# KiCad board distribution.kicad_pcb (continued)
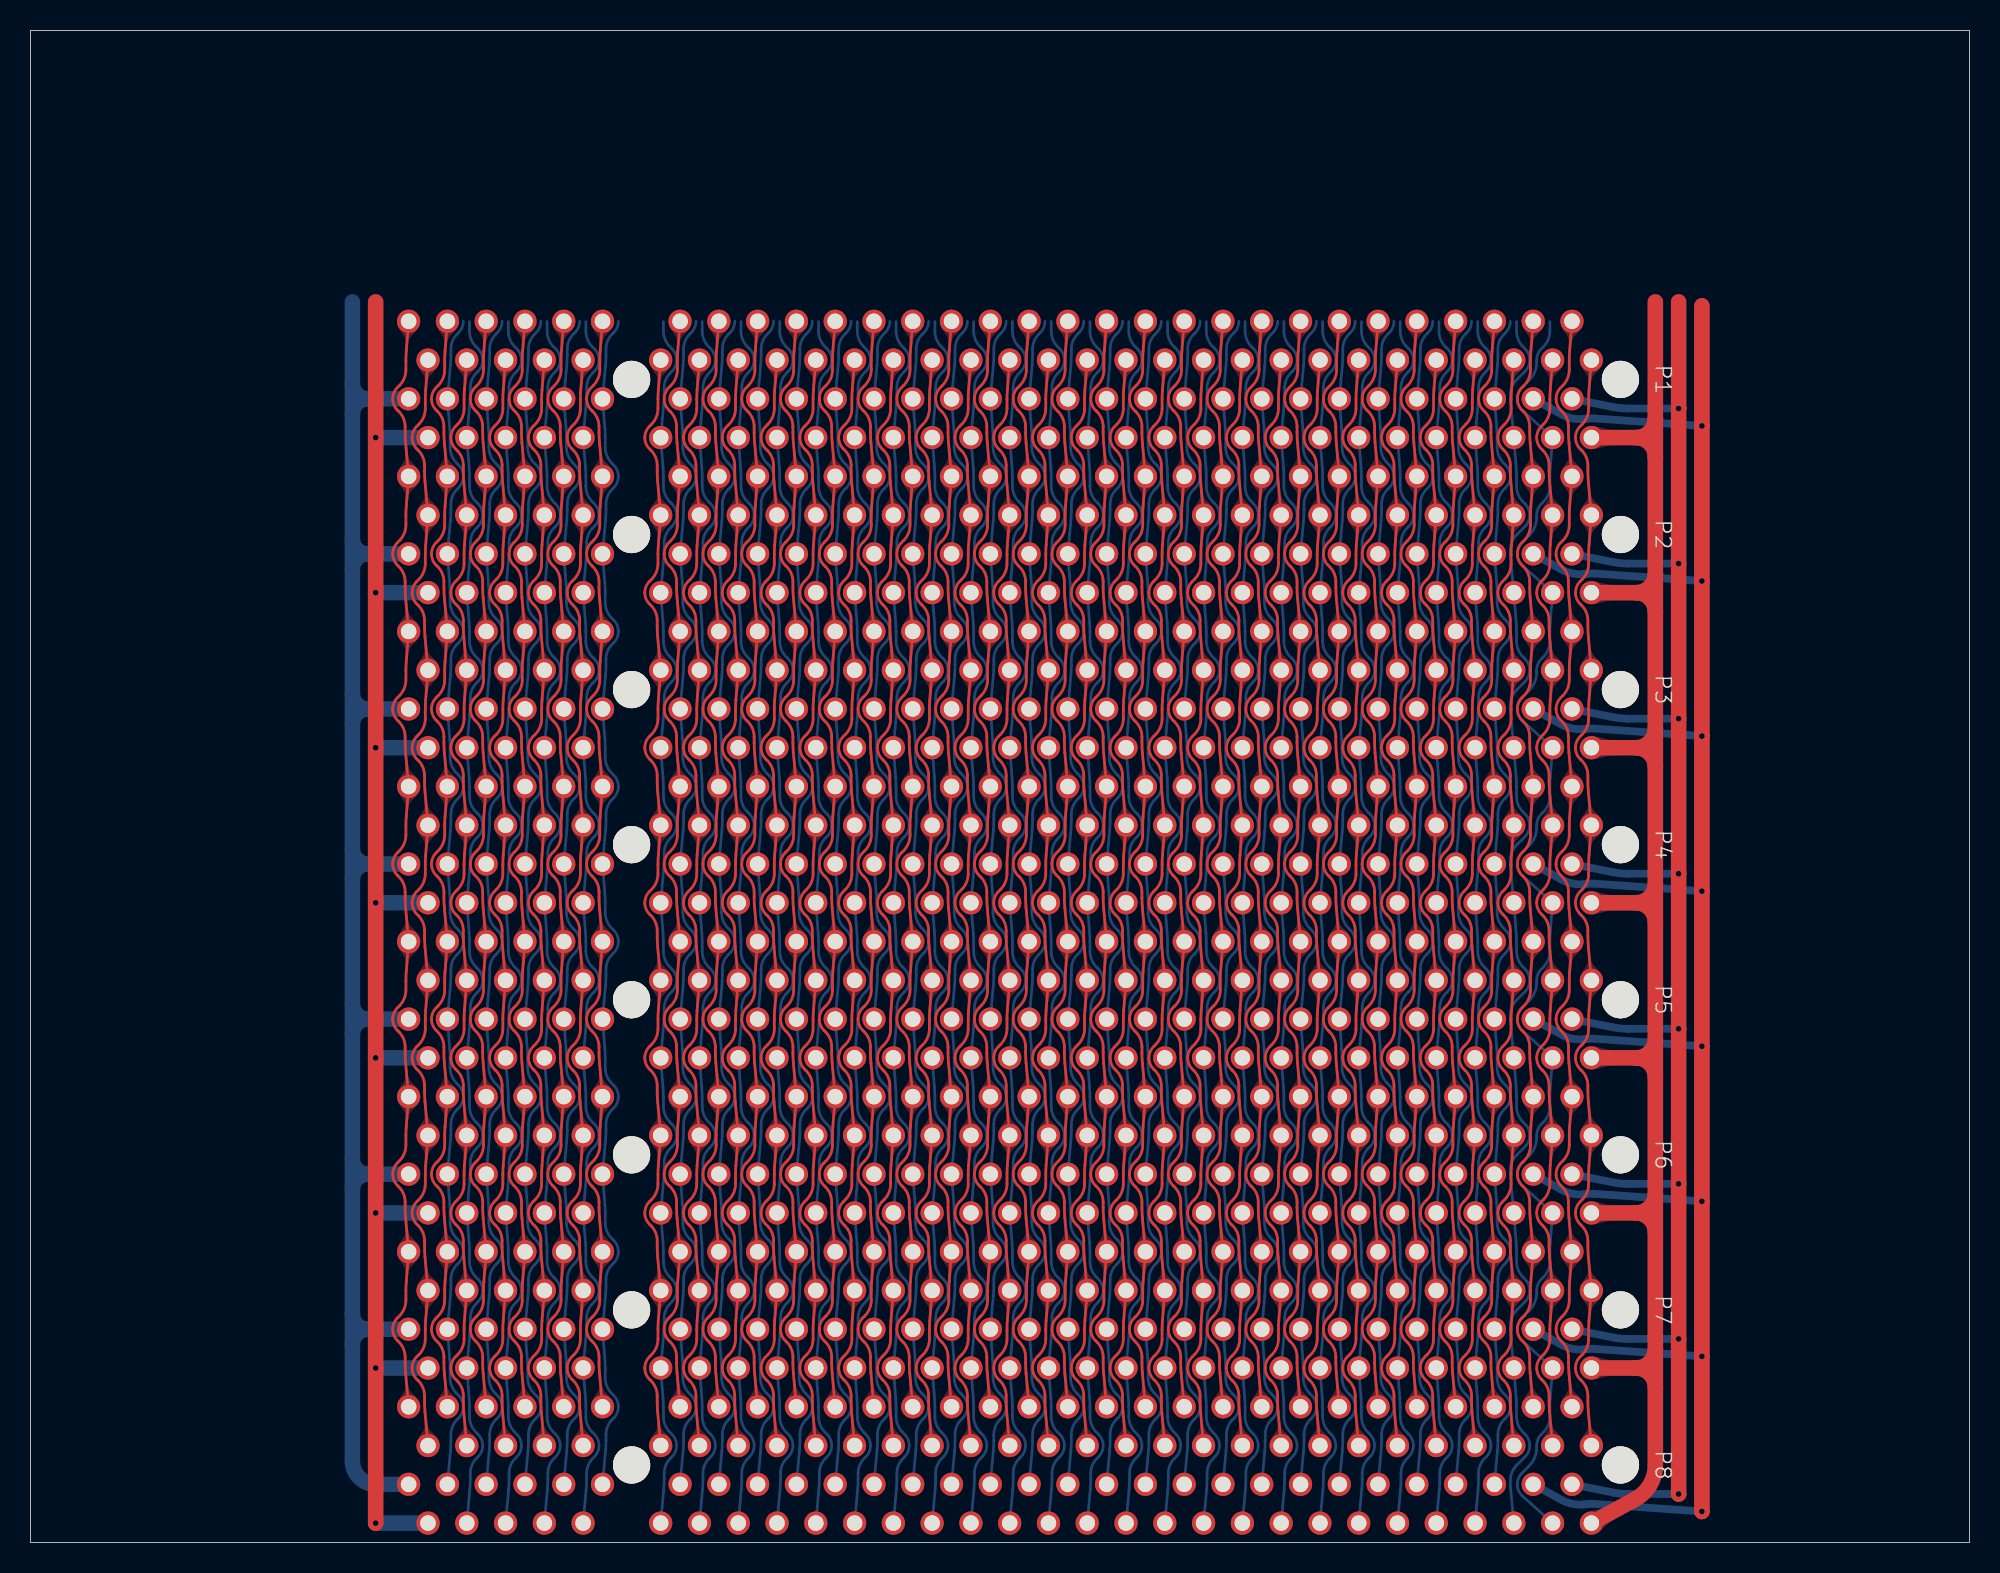
[diagram p0: board, top side]
## Routing (per net, layer and track width the routed paths; a pad name or vN(x,y) marks a point on that pad's centre or on a via; arc(x,y) is an arc through that point) (continued)
Q2: length 74.6
  Top w0.178: P1.B44 47.47,78.05 arc(47.45,77.75) 47.45,77.45 47.45,76.84 arc(47.33,76.27) 47.02,75.79 46.89,75.67 arc(46.66,75.33) 46.58,74.93 arc(46.66,74.53) 46.89,74.19 46.99,74.09 arc(47.29,73.64) 47.4,73.11 47.4,72.73 arc(47.4,72.39) 47.43,72.05 P2.B44 47.47,67.89 arc(47.45,67.59) 47.45,67.29 47.45,66.68 arc(47.33,66.11) 47.02,65.63 46.89,65.51 arc(46.66,65.17) 46.58,64.77 arc(46.66,64.37) 46.89,64.03 46.99,63.93 arc(47.29,63.48) 47.4,62.95 47.4,62.57 arc(47.4,62.23) 47.43,61.89 P3.B44 47.47,57.73 arc(47.45,57.43) 47.45,57.13 47.45,56.52 arc(47.33,55.95) 47.02,55.47 46.89,55.35 arc(46.66,55.01) 46.58,54.61 arc(46.66,54.21) 46.89,53.87 46.99,53.77 arc(47.29,53.32) 47.4,52.79 47.4,52.41 arc(47.4,52.07) 47.43,51.73 P4.B44 47.47,47.57 arc(47.45,47.27) 47.45,46.97 47.45,46.36 arc(47.33,45.79) 47.02,45.31 46.89,45.19 arc(46.66,44.85) 46.58,44.45 arc(46.66,44.05) 46.89,43.71 46.99,43.61 arc(47.29,43.16) 47.4,42.63 47.4,42.25 arc(47.4,41.91) 47.43,41.57 P5.B44 47.47,37.41 arc(47.45,37.11) 47.45,36.81 47.45,36.2 arc(47.33,35.63) 47.02,35.15 46.89,35.03 arc(46.66,34.69) 46.58,34.29 arc(46.66,33.89) 46.89,33.55 46.99,33.45 arc(47.29,33) 47.4,32.47 47.4,32.09 arc(47.4,31.75) 47.43,31.41 P6.B44 47.47,27.25 arc(47.45,26.95) 47.45,26.65 47.45,26.04 arc(47.33,25.47) 47.02,24.99 46.89,24.87 arc(46.66,24.53) 46.58,24.13 arc(46.66,23.73) 46.89,23.39 46.99,23.29 arc(47.29,22.84) 47.4,22.31 47.4,21.93 arc(47.4,21.59) 47.43,21.25 P7.B44 47.47,17.09 arc(47.45,16.79) 47.45,16.49 47.45,15.88 arc(47.33,15.31) 47.02,14.83 46.89,14.71 arc(46.66,14.37) 46.58,13.97 arc(46.66,13.57) 46.89,13.23 46.99,13.13 arc(47.29,12.68) 47.4,12.15 47.4,11.77 arc(47.4,11.43) 47.43,11.09 P8.B44
Q2a: length 79.9
  Bottom w0.178: P8.A40 52.9,6.01 arc(52.93,6.35) 52.93,6.69 52.93,7.07 arc(53.04,7.6) 53.34,8.05 53.44,8.15 arc(53.67,8.49) 53.75,8.89 arc(53.67,9.29) 53.44,9.63 53.31,9.75 arc(53,10.23) 52.88,10.8 52.88,11.41 arc(52.88,11.71) 52.86,12.01 P7.A40 52.9,16.17 arc(52.93,16.51) 52.93,16.85 52.93,17.23 arc(53.04,17.76) 53.34,18.21 53.44,18.31 arc(53.67,18.65) 53.75,19.05 arc(53.67,19.45) 53.44,19.79 53.31,19.91 arc(53,20.39) 52.88,20.96 52.88,21.57 arc(52.88,21.87) 52.86,22.17 P6.A40 52.9,26.33 arc(52.93,26.67) 52.93,27.01 52.93,27.39 arc(53.04,27.92) 53.34,28.37 53.44,28.47 arc(53.67,28.81) 53.75,29.21 arc(53.67,29.61) 53.44,29.95 53.31,30.07 arc(53,30.55) 52.88,31.12 52.88,31.73 arc(52.88,32.03) 52.86,32.33 P5.A40 52.9,36.49 arc(52.93,36.83) 52.93,37.17 52.93,37.55 arc(53.04,38.08) 53.34,38.53 53.44,38.63 arc(53.67,38.97) 53.75,39.37 arc(53.67,39.77) 53.44,40.11 53.31,40.23 arc(53,40.71) 52.88,41.28 52.88,41.89 arc(52.88,42.19) 52.86,42.49 P4.A40 52.9,46.65 arc(52.93,46.99) 52.93,47.33 52.93,47.71 arc(53.04,48.24) 53.34,48.69 53.44,48.79 arc(53.67,49.13) 53.75,49.53 arc(53.67,49.93) 53.44,50.27 53.31,50.39 arc(53,50.87) 52.88,51.44 52.88,52.05 arc(52.88,52.35) 52.86,52.65 P3.A40 52.9,56.81 arc(52.93,57.15) 52.93,57.49 52.93,57.87 arc(53.04,58.4) 53.34,58.85 53.44,58.95 arc(53.67,59.29) 53.75,59.69 arc(53.67,60.09) 53.44,60.43 53.31,60.55 arc(53,61.03) 52.88,61.6 52.88,62.21 arc(52.88,62.51) 52.86,62.81 P2.A40 52.9,66.97 arc(52.93,67.31) 52.93,67.65 52.93,68.03 arc(53.04,68.56) 53.34,69.01 53.44,69.11 arc(53.67,69.45) 53.75,69.85 arc(53.67,70.25) 53.44,70.59 53.31,70.71 arc(53,71.19) 52.88,71.76 52.88,72.37 arc(52.88,72.67) 52.86,72.97 P1.A40 52.9,77.13 arc(52.93,77.47) 52.93,77.81 52.93,78.19 arc(53.04,78.72) 53.34,79.17 53.44,79.27 arc(53.67,79.61) 53.75,80.01
Q3: length 79.9
  Bottom w0.178: P8.A58 30.04,6.01 arc(30.07,6.35) 30.07,6.69 30.07,7.07 arc(30.18,7.6) 30.48,8.05 30.58,8.15 arc(30.81,8.49) 30.89,8.89 arc(30.81,9.29) 30.58,9.63 30.45,9.75 arc(30.14,10.23) 30.02,10.8 30.02,11.41 arc(30.02,11.71) 30,12.01 P7.A58 30.04,16.17 arc(30.07,16.51) 30.07,16.85 30.07,17.23 arc(30.18,17.76) 30.48,18.21 30.58,18.31 arc(30.81,18.65) 30.89,19.05 arc(30.81,19.45) 30.58,19.79 30.45,19.91 arc(30.14,20.39) 30.02,20.96 30.02,21.57 arc(30.02,21.87) 30,22.17 P6.A58 30.04,26.33 arc(30.07,26.67) 30.07,27.01 30.07,27.39 arc(30.18,27.92) 30.48,28.37 30.58,28.47 arc(30.81,28.81) 30.89,29.21 arc(30.81,29.61) 30.58,29.95 30.45,30.07 arc(30.14,30.55) 30.02,31.12 30.02,31.73 arc(30.02,32.03) 30,32.33 P5.A58 30.04,36.49 arc(30.07,36.83) 30.07,37.17 30.07,37.55 arc(30.18,38.08) 30.48,38.53 30.58,38.63 arc(30.81,38.97) 30.89,39.37 arc(30.81,39.77) 30.58,40.11 30.45,40.23 arc(30.14,40.71) 30.02,41.28 30.02,41.89 arc(30.02,42.19) 30,42.49 P4.A58 30.04,46.65 arc(30.07,46.99) 30.07,47.33 30.07,47.71 arc(30.18,48.24) 30.48,48.69 30.58,48.79 arc(30.81,49.13) 30.89,49.53 arc(30.81,49.93) 30.58,50.27 30.45,50.39 arc(30.14,50.87) 30.02,51.44 30.02,52.05 arc(30.02,52.35) 30,52.65 P3.A58 30.04,56.81 arc(30.07,57.15) 30.07,57.49 30.07,57.87 arc(30.18,58.4) 30.48,58.85 30.58,58.95 arc(30.81,59.29) 30.89,59.69 arc(30.81,60.09) 30.58,60.43 30.45,60.55 arc(30.14,61.03) 30.02,61.6 30.02,62.21 arc(30.02,62.51) 30,62.81 P2.A58 30.04,66.97 arc(30.07,67.31) 30.07,67.65 30.07,68.03 arc(30.18,68.56) 30.48,69.01 30.58,69.11 arc(30.81,69.45) 30.89,69.85 arc(30.81,70.25) 30.58,70.59 30.45,70.71 arc(30.14,71.19) 30.02,71.76 30.02,72.37 arc(30.02,72.67) 30,72.97 P1.A58 30.04,77.13 arc(30.07,77.47) 30.07,77.81 30.07,78.19 arc(30.18,78.72) 30.48,79.17 30.58,79.27 arc(30.81,79.61) 30.89,80.01
Q4: length 74.6
  Top w0.178: 48.89,6.35 48.7,8.55 arc(48.67,8.89) 48.67,9.23 48.67,9.61 arc(48.56,10.14) 48.26,10.59 48.16,10.69 arc(47.93,11.03) 47.85,11.43 arc(47.93,11.83) 48.16,12.17 48.29,12.29 arc(48.6,12.77) 48.72,13.34 48.72,13.95 arc(48.72,14.25) 48.74,14.55 48.89,16.51 48.7,18.71 arc(48.67,19.05) 48.67,19.39 48.67,19.77 arc(48.56,20.3) 48.26,20.75 48.16,20.85 arc(47.93,21.19) 47.85,21.59 arc(47.93,21.99) 48.16,22.33 48.29,22.45 arc(48.6,22.93) 48.72,23.5 48.72,24.11 arc(48.72,24.41) 48.74,24.71 48.89,26.67 48.7,28.87 arc(48.67,29.21) 48.67,29.55 48.67,29.93 arc(48.56,30.46) 48.26,30.91 48.16,31.01 arc(47.93,31.35) 47.85,31.75 arc(47.93,32.15) 48.16,32.49 48.29,32.61 arc(48.6,33.09) 48.72,33.66 48.72,34.27 arc(48.72,34.57) 48.74,34.87 48.89,36.83 48.7,39.03 arc(48.67,39.37) 48.67,39.71 48.67,40.09 arc(48.56,40.62) 48.26,41.07 48.16,41.17 arc(47.93,41.51) 47.85,41.91 arc(47.93,42.31) 48.16,42.65 48.29,42.77 arc(48.6,43.25) 48.72,43.82 48.72,44.43 arc(48.72,44.73) 48.74,45.03 48.89,46.99 48.7,49.19 arc(48.67,49.53) 48.67,49.87 48.67,50.25 arc(48.56,50.78) 48.26,51.23 48.16,51.33 arc(47.93,51.67) 47.85,52.07 arc(47.93,52.47) 48.16,52.81 48.29,52.93 arc(48.6,53.41) 48.72,53.98 48.72,54.59 arc(48.72,54.89) 48.74,55.19 48.89,57.15 48.7,59.35 arc(48.67,59.69) 48.67,60.03 48.67,60.41 arc(48.56,60.94) 48.26,61.39 48.16,61.49 arc(47.93,61.83) 47.85,62.23 arc(47.93,62.63) 48.16,62.97 48.29,63.09 arc(48.6,63.57) 48.72,64.14 48.72,64.75 arc(48.72,65.05) 48.74,65.35 48.89,67.31 48.7,69.51 arc(48.67,69.85) 48.67,70.19 48.67,70.57 arc(48.56,71.1) 48.26,71.55 48.16,71.65 arc(47.93,71.99) 47.85,72.39 arc(47.93,72.79) 48.16,73.13 48.29,73.25 arc(48.6,73.73) 48.72,74.3 48.72,74.91 arc(48.72,75.21) 48.74,75.51 48.89,77.47
R: length 74.6
  Top w0.178: P8.B42 49.97,11.09 arc(49.94,11.43) 49.94,11.77 49.94,12.15 arc(49.83,12.68) 49.53,13.13 49.43,13.23 arc(49.2,13.57) 49.12,13.97 arc(49.2,14.37) 49.43,14.71 49.56,14.83 arc(49.87,15.31) 49.99,15.88 49.99,16.49 arc(49.99,16.79) 50.01,17.09 P7.B42 49.97,21.25 arc(49.94,21.59) 49.94,21.93 49.94,22.31 arc(49.83,22.84) 49.53,23.29 49.43,23.39 arc(49.2,23.73) 49.12,24.13 arc(49.2,24.53) 49.43,24.87 49.56,24.99 arc(49.87,25.47) 49.99,26.04 49.99,26.65 arc(49.99,26.95) 50.01,27.25 P6.B42 49.97,31.41 arc(49.94,31.75) 49.94,32.09 49.94,32.47 arc(49.83,33) 49.53,33.45 49.43,33.55 arc(49.2,33.89) 49.12,34.29 arc(49.2,34.69) 49.43,35.03 49.56,35.15 arc(49.87,35.63) 49.99,36.2 49.99,36.81 arc(49.99,37.11) 50.01,37.41 P5.B42 49.97,41.57 arc(49.94,41.91) 49.94,42.25 49.94,42.63 arc(49.83,43.16) 49.53,43.61 49.43,43.71 arc(49.2,44.05) 49.12,44.45 arc(49.2,44.85) 49.43,45.19 49.56,45.31 arc(49.87,45.79) 49.99,46.36 49.99,46.97 arc(49.99,47.27) 50.01,47.57 P4.B42 49.97,51.73 arc(49.94,52.07) 49.94,52.41 49.94,52.79 arc(49.83,53.32) 49.53,53.77 49.43,53.87 arc(49.2,54.21) 49.12,54.61 arc(49.2,55.01) 49.43,55.35 49.56,55.47 arc(49.87,55.95) 49.99,56.52 49.99,57.13 arc(49.99,57.43) 50.01,57.73 P3.B42 49.97,61.89 arc(49.94,62.23) 49.94,62.57 49.94,62.95 arc(49.83,63.48) 49.53,63.93 49.43,64.03 arc(49.2,64.37) 49.12,64.77 arc(49.2,65.17) 49.43,65.51 49.56,65.63 arc(49.87,66.11) 49.99,66.68 49.99,67.29 arc(49.99,67.59) 50.01,67.89 P2.B42 49.97,72.05 arc(49.94,72.39) 49.94,72.73 49.94,73.11 arc(49.83,73.64) 49.53,74.09 49.43,74.19 arc(49.2,74.53) 49.12,74.93 arc(49.2,75.33) 49.43,75.67 49.56,75.79 arc(49.87,76.27) 49.99,76.84 49.99,77.45 arc(49.99,77.75) 50.01,78.05 P1.B42
r1: length 79.9
  Bottom w0.178: P8.A8 93.54,6.01 arc(93.57,6.35) 93.57,6.69 93.57,7.07 arc(93.68,7.6) 93.98,8.05 94.08,8.15 arc(94.31,8.49) 94.39,8.89 arc(94.31,9.29) 94.08,9.63 93.95,9.75 arc(93.64,10.23) 93.52,10.8 93.52,11.41 arc(93.52,11.71) 93.5,12.01 P7.A8 93.54,16.17 arc(93.57,16.51) 93.57,16.85 93.57,17.23 arc(93.68,17.76) 93.98,18.21 94.08,18.31 arc(94.31,18.65) 94.39,19.05 arc(94.31,19.45) 94.08,19.79 93.95,19.91 arc(93.64,20.39) 93.52,20.96 93.52,21.57 arc(93.52,21.87) 93.5,22.17 P6.A8 93.54,26.33 arc(93.57,26.67) 93.57,27.01 93.57,27.39 arc(93.68,27.92) 93.98,28.37 94.08,28.47 arc(94.31,28.81) 94.39,29.21 arc(94.31,29.61) 94.08,29.95 93.95,30.07 arc(93.64,30.55) 93.52,31.12 93.52,31.73 arc(93.52,32.03) 93.5,32.33 P5.A8 93.54,36.49 arc(93.57,36.83) 93.57,37.17 93.57,37.55 arc(93.68,38.08) 93.98,38.53 94.08,38.63 arc(94.31,38.97) 94.39,39.37 arc(94.31,39.77) 94.08,40.11 93.95,40.23 arc(93.64,40.71) 93.52,41.28 93.52,41.89 arc(93.52,42.19) 93.5,42.49 P4.A8 93.54,46.65 arc(93.57,46.99) 93.57,47.33 93.57,47.71 arc(93.68,48.24) 93.98,48.69 94.08,48.79 arc(94.31,49.13) 94.39,49.53 arc(94.31,49.93) 94.08,50.27 93.95,50.39 arc(93.64,50.87) 93.52,51.44 93.52,52.05 arc(93.52,52.35) 93.5,52.65 P3.A8 93.54,56.81 arc(93.57,57.15) 93.57,57.49 93.57,57.87 arc(93.68,58.4) 93.98,58.85 94.08,58.95 arc(94.31,59.29) 94.39,59.69 arc(94.31,60.09) 94.08,60.43 93.95,60.55 arc(93.64,61.03) 93.52,61.6 93.52,62.21 arc(93.52,62.51) 93.5,62.81 P2.A8 93.54,66.97 arc(93.57,67.31) 93.57,67.65 93.57,68.03 arc(93.68,68.56) 93.98,69.01 94.08,69.11 arc(94.31,69.45) 94.39,69.85 arc(94.31,70.25) 94.08,70.59 93.95,70.71 arc(93.64,71.19) 93.52,71.76 93.52,72.37 arc(93.52,72.67) 93.5,72.97 P1.A8 93.54,77.13 arc(93.57,77.47) 93.57,77.81 93.57,78.19 arc(93.68,78.72) 93.98,79.17 94.08,79.27 arc(94.31,79.61) 94.39,80.01
Rw': length 74.6
  Top w0.178: 33.66,77.47 33.5,75.51 arc(33.48,75.21) 33.48,74.91 33.48,74.3 arc(33.36,73.73) 33.05,73.25 32.92,73.13 arc(32.69,72.79) 32.61,72.39 arc(32.69,71.99) 32.92,71.65 33.02,71.55 arc(33.32,71.1) 33.43,70.57 33.43,70.19 arc(33.43,69.85) 33.46,69.51 33.66,67.31 33.5,65.35 arc(33.48,65.05) 33.48,64.75 33.48,64.14 arc(33.36,63.57) 33.05,63.09 32.92,62.97 arc(32.69,62.63) 32.61,62.23 arc(32.69,61.83) 32.92,61.49 33.02,61.39 arc(33.32,60.94) 33.43,60.41 33.43,60.03 arc(33.43,59.69) 33.46,59.35 33.66,57.15 33.5,55.19 arc(33.48,54.89) 33.48,54.59 33.48,53.98 arc(33.36,53.41) 33.05,52.93 32.92,52.81 arc(32.69,52.47) 32.61,52.07 arc(32.69,51.67) 32.92,51.33 33.02,51.23 arc(33.32,50.78) 33.43,50.25 33.43,49.87 arc(33.43,49.53) 33.46,49.19 33.66,46.99 33.5,45.03 arc(33.48,44.73) 33.48,44.43 33.48,43.82 arc(33.36,43.25) 33.05,42.77 32.92,42.65 arc(32.69,42.31) 32.61,41.91 arc(32.69,41.51) 32.92,41.17 33.02,41.07 arc(33.32,40.62) 33.43,40.09 33.43,39.71 arc(33.43,39.37) 33.46,39.03 33.66,36.83 33.5,34.87 arc(33.48,34.57) 33.48,34.27 33.48,33.66 arc(33.36,33.09) 33.05,32.61 32.92,32.49 arc(32.69,32.15) 32.61,31.75 arc(32.69,31.35) 32.92,31.01 33.02,30.91 arc(33.32,30.46) 33.43,29.93 33.43,29.55 arc(33.43,29.21) 33.46,28.87 33.66,26.67 33.5,24.71 arc(33.48,24.41) 33.48,24.11 33.48,23.5 arc(33.36,22.93) 33.05,22.45 32.92,22.33 arc(32.69,21.99) 32.61,21.59 arc(32.69,21.19) 32.92,20.85 33.02,20.75 arc(33.32,20.3) 33.43,19.77 33.43,19.39 arc(33.43,19.05) 33.46,18.71 33.66,16.51 33.5,14.55 arc(33.48,14.25) 33.48,13.95 33.48,13.34 arc(33.36,12.77) 33.05,12.29 32.92,12.17 arc(32.69,11.83) 32.61,11.43 arc(32.69,11.03) 32.92,10.69 33.02,10.59 arc(33.32,10.14) 33.43,9.61 33.43,9.23 arc(33.43,8.89) 33.46,8.55 33.66,6.35
S1: length 74.6
  Top w0.178: 36.19,77.47 36.04,75.51 arc(36.02,75.21) 36.02,74.91 36.02,74.3 arc(35.9,73.73) 35.59,73.25 35.46,73.13 arc(35.23,72.79) 35.15,72.39 arc(35.23,71.99) 35.46,71.65 35.56,71.55 arc(35.86,71.1) 35.97,70.57 35.97,70.19 arc(35.97,69.85) 36,69.51 36.19,67.31 36.04,65.35 arc(36.02,65.05) 36.02,64.75 36.02,64.14 arc(35.9,63.57) 35.59,63.09 35.46,62.97 arc(35.23,62.63) 35.15,62.23 arc(35.23,61.83) 35.46,61.49 35.56,61.39 arc(35.86,60.94) 35.97,60.41 35.97,60.03 arc(35.97,59.69) 36,59.35 36.19,57.15 36.04,55.19 arc(36.02,54.89) 36.02,54.59 36.02,53.98 arc(35.9,53.41) 35.59,52.93 35.46,52.81 arc(35.23,52.47) 35.15,52.07 arc(35.23,51.67) 35.46,51.33 35.56,51.23 arc(35.86,50.78) 35.97,50.25 35.97,49.87 arc(35.97,49.53) 36,49.19 36.19,46.99 36.04,45.03 arc(36.02,44.73) 36.02,44.43 36.02,43.82 arc(35.9,43.25) 35.59,42.77 35.46,42.65 arc(35.23,42.31) 35.15,41.91 arc(35.23,41.51) 35.46,41.17 35.56,41.07 arc(35.86,40.62) 35.97,40.09 35.97,39.71 arc(35.97,39.37) 36,39.03 36.19,36.83 36.04,34.87 arc(36.02,34.57) 36.02,34.27 36.02,33.66 arc(35.9,33.09) 35.59,32.61 35.46,32.49 arc(35.23,32.15) 35.15,31.75 arc(35.23,31.35) 35.46,31.01 35.56,30.91 arc(35.86,30.46) 35.97,29.93 35.97,29.55 arc(35.97,29.21) 36,28.87 36.19,26.67 36.04,24.71 arc(36.02,24.41) 36.02,24.11 36.02,23.5 arc(35.9,22.93) 35.59,22.45 35.46,22.33 arc(35.23,21.99) 35.15,21.59 arc(35.23,21.19) 35.46,20.85 35.56,20.75 arc(35.86,20.3) 35.97,19.77 35.97,19.39 arc(35.97,19.05) 36,18.71 36.19,16.51 36.04,14.55 arc(36.02,14.25) 36.02,13.95 36.02,13.34 arc(35.9,12.77) 35.59,12.29 35.46,12.17 arc(35.23,11.83) 35.15,11.43 arc(35.23,11.03) 35.46,10.69 35.56,10.59 arc(35.86,10.14) 35.97,9.61 35.97,9.23 arc(35.97,8.89) 36,8.55 36.19,6.35
S2: length 82.7
  Bottom w0.178: P8.A27 69.41,3.47 arc(69.44,3.81) 69.44,4.15 69.44,4.53 arc(69.55,5.06) 69.85,5.51 69.95,5.61 arc(70.18,5.95) 70.26,6.35 arc(70.18,6.75) 69.95,7.09 69.82,7.21 arc(69.51,7.69) 69.39,8.26 69.39,8.87 arc(69.39,9.17) 69.37,9.47 P7.A27 69.41,13.63 arc(69.44,13.97) 69.44,14.31 69.44,14.69 arc(69.55,15.22) 69.85,15.67 69.95,15.77 arc(70.18,16.11) 70.26,16.51 arc(70.18,16.91) 69.95,17.25 69.82,17.37 arc(69.51,17.85) 69.39,18.42 69.39,19.03 arc(69.39,19.33) 69.37,19.63 P6.A27 69.41,23.79 arc(69.44,24.13) 69.44,24.47 69.44,24.85 arc(69.55,25.38) 69.85,25.83 69.95,25.93 arc(70.18,26.27) 70.26,26.67 arc(70.18,27.07) 69.95,27.41 69.82,27.53 arc(69.51,28.01) 69.39,28.58 69.39,29.19 arc(69.39,29.49) 69.37,29.79 P5.A27 69.41,33.95 arc(69.44,34.29) 69.44,34.63 69.44,35.01 arc(69.55,35.54) 69.85,35.99 69.95,36.09 arc(70.18,36.43) 70.26,36.83 arc(70.18,37.23) 69.95,37.57 69.82,37.69 arc(69.51,38.17) 69.39,38.74 69.39,39.35 arc(69.39,39.65) 69.37,39.95 P4.A27 69.41,44.11 arc(69.44,44.45) 69.44,44.79 69.44,45.17 arc(69.55,45.7) 69.85,46.15 69.95,46.25 arc(70.18,46.59) 70.26,46.99 arc(70.18,47.39) 69.95,47.73 69.82,47.85 arc(69.51,48.33) 69.39,48.9 69.39,49.51 arc(69.39,49.81) 69.37,50.11 P3.A27 69.41,54.27 arc(69.44,54.61) 69.44,54.95 69.44,55.33 arc(69.55,55.86) 69.85,56.31 69.95,56.41 arc(70.18,56.75) 70.26,57.15 arc(70.18,57.55) 69.95,57.89 69.82,58.01 arc(69.51,58.49) 69.39,59.06 69.39,59.67 arc(69.39,59.97) 69.37,60.27 P2.A27 69.41,64.43 arc(69.44,64.77) 69.44,65.11 69.44,65.49 arc(69.55,66.02) 69.85,66.47 69.95,66.57 arc(70.18,66.91) 70.26,67.31 arc(70.18,67.71) 69.95,68.05 69.82,68.17 arc(69.51,68.65) 69.39,69.22 69.39,69.83 arc(69.39,70.13) 69.37,70.43 P1.A27 69.41,74.59 arc(69.44,74.93) 69.44,75.27 69.44,75.65 arc(69.55,76.18) 69.85,76.63 69.95,76.73 arc(70.18,77.07) 70.26,77.47 arc(70.18,77.87) 69.95,78.21 69.82,78.33 arc(69.51,78.81) 69.39,79.38 69.39,79.99
S3: length 79.9
  Bottom w0.178: P8.A30 65.6,6.01 arc(65.63,6.35) 65.63,6.69 65.63,7.07 arc(65.74,7.6) 66.04,8.05 66.14,8.15 arc(66.37,8.49) 66.45,8.89 arc(66.37,9.29) 66.14,9.63 66.01,9.75 arc(65.7,10.23) 65.58,10.8 65.58,11.41 arc(65.58,11.71) 65.56,12.01 P7.A30 65.6,16.17 arc(65.63,16.51) 65.63,16.85 65.63,17.23 arc(65.74,17.76) 66.04,18.21 66.14,18.31 arc(66.37,18.65) 66.45,19.05 arc(66.37,19.45) 66.14,19.79 66.01,19.91 arc(65.7,20.39) 65.58,20.96 65.58,21.57 arc(65.58,21.87) 65.56,22.17 P6.A30 65.6,26.33 arc(65.63,26.67) 65.63,27.01 65.63,27.39 arc(65.74,27.92) 66.04,28.37 66.14,28.47 arc(66.37,28.81) 66.45,29.21 arc(66.37,29.61) 66.14,29.95 66.01,30.07 arc(65.7,30.55) 65.58,31.12 65.58,31.73 arc(65.58,32.03) 65.56,32.33 P5.A30 65.6,36.49 arc(65.63,36.83) 65.63,37.17 65.63,37.55 arc(65.74,38.08) 66.04,38.53 66.14,38.63 arc(66.37,38.97) 66.45,39.37 arc(66.37,39.77) 66.14,40.11 66.01,40.23 arc(65.7,40.71) 65.58,41.28 65.58,41.89 arc(65.58,42.19) 65.56,42.49 P4.A30 65.6,46.65 arc(65.63,46.99) 65.63,47.33 65.63,47.71 arc(65.74,48.24) 66.04,48.69 66.14,48.79 arc(66.37,49.13) 66.45,49.53 arc(66.37,49.93) 66.14,50.27 66.01,50.39 arc(65.7,50.87) 65.58,51.44 65.58,52.05 arc(65.58,52.35) 65.56,52.65 P3.A30 65.6,56.81 arc(65.63,57.15) 65.63,57.49 65.63,57.87 arc(65.74,58.4) 66.04,58.85 66.14,58.95 arc(66.37,59.29) 66.45,59.69 arc(66.37,60.09) 66.14,60.43 66.01,60.55 arc(65.7,61.03) 65.58,61.6 65.58,62.21 arc(65.58,62.51) 65.56,62.81 P2.A30 65.6,66.97 arc(65.63,67.31) 65.63,67.65 65.63,68.03 arc(65.74,68.56) 66.04,69.01 66.14,69.11 arc(66.37,69.45) 66.45,69.85 arc(66.37,70.25) 66.14,70.59 66.01,70.71 arc(65.7,71.19) 65.58,71.76 65.58,72.37 arc(65.58,72.67) 65.56,72.97 P1.A30 65.6,77.13 arc(65.63,77.47) 65.63,77.81 65.63,78.19 arc(65.74,78.72) 66.04,79.17 66.14,79.27 arc(66.37,79.61) 66.45,80.01
T3: length 82.7
  Bottom w0.178: P8.A29 66.87,3.47 arc(66.9,3.81) 66.9,4.15 66.9,4.53 arc(67.01,5.06) 67.31,5.51 67.41,5.61 arc(67.64,5.95) 67.72,6.35 arc(67.64,6.75) 67.41,7.09 67.28,7.21 arc(66.97,7.69) 66.85,8.26 66.85,8.87 arc(66.85,9.17) 66.83,9.47 P7.A29 66.87,13.63 arc(66.9,13.97) 66.9,14.31 66.9,14.69 arc(67.01,15.22) 67.31,15.67 67.41,15.77 arc(67.64,16.11) 67.72,16.51 arc(67.64,16.91) 67.41,17.25 67.28,17.37 arc(66.97,17.85) 66.85,18.42 66.85,19.03 arc(66.85,19.33) 66.83,19.63 P6.A29 66.87,23.79 arc(66.9,24.13) 66.9,24.47 66.9,24.85 arc(67.01,25.38) 67.31,25.83 67.41,25.93 arc(67.64,26.27) 67.72,26.67 arc(67.64,27.07) 67.41,27.41 67.28,27.53 arc(66.97,28.01) 66.85,28.58 66.85,29.19 arc(66.85,29.49) 66.83,29.79 P5.A29 66.87,33.95 arc(66.9,34.29) 66.9,34.63 66.9,35.01 arc(67.01,35.54) 67.31,35.99 67.41,36.09 arc(67.64,36.43) 67.72,36.83 arc(67.64,37.23) 67.41,37.57 67.28,37.69 arc(66.97,38.17) 66.85,38.74 66.85,39.35 arc(66.85,39.65) 66.83,39.95 P4.A29 66.87,44.11 arc(66.9,44.45) 66.9,44.79 66.9,45.17 arc(67.01,45.7) 67.31,46.15 67.41,46.25 arc(67.64,46.59) 67.72,46.99 arc(67.64,47.39) 67.41,47.73 67.28,47.85 arc(66.97,48.33) 66.85,48.9 66.85,49.51 arc(66.85,49.81) 66.83,50.11 P3.A29 66.87,54.27 arc(66.9,54.61) 66.9,54.95 66.9,55.33 arc(67.01,55.86) 67.31,56.31 67.41,56.41 arc(67.64,56.75) 67.72,57.15 arc(67.64,57.55) 67.41,57.89 67.28,58.01 arc(66.97,58.49) 66.85,59.06 66.85,59.67 arc(66.85,59.97) 66.83,60.27 P2.A29 66.87,64.43 arc(66.9,64.77) 66.9,65.11 66.9,65.49 arc(67.01,66.02) 67.31,66.47 67.41,66.57 arc(67.64,66.91) 67.72,67.31 arc(67.64,67.71) 67.41,68.05 67.28,68.17 arc(66.97,68.65) 66.85,69.22 66.85,69.83 arc(66.85,70.13) 66.83,70.43 P1.A29 66.87,74.59 arc(66.9,74.93) 66.9,75.27 66.9,75.65 arc(67.01,76.18) 67.31,76.63 67.41,76.73 arc(67.64,77.07) 67.72,77.47 arc(67.64,77.87) 67.41,78.21 67.28,78.33 arc(66.97,78.81) 66.85,79.38 66.85,79.99
Tc: length 79.9
  Bottom w0.178: P8.A36 57.98,6.01 arc(58.01,6.35) 58.01,6.69 58.01,7.07 arc(58.12,7.6) 58.42,8.05 58.52,8.15 arc(58.75,8.49) 58.83,8.89 arc(58.75,9.29) 58.52,9.63 58.39,9.75 arc(58.08,10.23) 57.96,10.8 57.96,11.41 arc(57.96,11.71) 57.94,12.01 P7.A36 57.98,16.17 arc(58.01,16.51) 58.01,16.85 58.01,17.23 arc(58.12,17.76) 58.42,18.21 58.52,18.31 arc(58.75,18.65) 58.83,19.05 arc(58.75,19.45) 58.52,19.79 58.39,19.91 arc(58.08,20.39) 57.96,20.96 57.96,21.57 arc(57.96,21.87) 57.94,22.17 P6.A36 57.98,26.33 arc(58.01,26.67) 58.01,27.01 58.01,27.39 arc(58.12,27.92) 58.42,28.37 58.52,28.47 arc(58.75,28.81) 58.83,29.21 arc(58.75,29.61) 58.52,29.95 58.39,30.07 arc(58.08,30.55) 57.96,31.12 57.96,31.73 arc(57.96,32.03) 57.94,32.33 P5.A36 57.98,36.49 arc(58.01,36.83) 58.01,37.17 58.01,37.55 arc(58.12,38.08) 58.42,38.53 58.52,38.63 arc(58.75,38.97) 58.83,39.37 arc(58.75,39.77) 58.52,40.11 58.39,40.23 arc(58.08,40.71) 57.96,41.28 57.96,41.89 arc(57.96,42.19) 57.94,42.49 P4.A36 57.98,46.65 arc(58.01,46.99) 58.01,47.33 58.01,47.71 arc(58.12,48.24) 58.42,48.69 58.52,48.79 arc(58.75,49.13) 58.83,49.53 arc(58.75,49.93) 58.52,50.27 58.39,50.39 arc(58.08,50.87) 57.96,51.44 57.96,52.05 arc(57.96,52.35) 57.94,52.65 P3.A36 57.98,56.81 arc(58.01,57.15) 58.01,57.49 58.01,57.87 arc(58.12,58.4) 58.42,58.85 58.52,58.95 arc(58.75,59.29) 58.83,59.69 arc(58.75,60.09) 58.52,60.43 58.39,60.55 arc(58.08,61.03) 57.96,61.6 57.96,62.21 arc(57.96,62.51) 57.94,62.81 P2.A36 57.98,66.97 arc(58.01,67.31) 58.01,67.65 58.01,68.03 arc(58.12,68.56) 58.42,69.01 58.52,69.11 arc(58.75,69.45) 58.83,69.85 arc(58.75,70.25) 58.52,70.59 58.39,70.71 arc(58.08,71.19) 57.96,71.76 57.96,72.37 arc(57.96,72.67) 57.94,72.97 P1.A36 57.98,77.13 arc(58.01,77.47) 58.01,77.81 58.01,78.19 arc(58.12,78.72) 58.42,79.17 58.52,79.27 arc(58.75,79.61) 58.83,80.01
V: length 82.7
  Bottom w0.178: P8.A19 79.57,3.47 arc(79.6,3.81) 79.6,4.15 79.6,4.53 arc(79.71,5.06) 80.01,5.51 80.11,5.61 arc(80.34,5.95) 80.42,6.35 arc(80.34,6.75) 80.11,7.09 79.98,7.21 arc(79.67,7.69) 79.55,8.26 79.55,8.87 arc(79.55,9.17) 79.53,9.47 P7.A19 79.57,13.63 arc(79.6,13.97) 79.6,14.31 79.6,14.69 arc(79.71,15.22) 80.01,15.67 80.11,15.77 arc(80.34,16.11) 80.42,16.51 arc(80.34,16.91) 80.11,17.25 79.98,17.37 arc(79.67,17.85) 79.55,18.42 79.55,19.03 arc(79.55,19.33) 79.53,19.63 P6.A19 79.57,23.79 arc(79.6,24.13) 79.6,24.47 79.6,24.85 arc(79.71,25.38) 80.01,25.83 80.11,25.93 arc(80.34,26.27) 80.42,26.67 arc(80.34,27.07) 80.11,27.41 79.98,27.53 arc(79.67,28.01) 79.55,28.58 79.55,29.19 arc(79.55,29.49) 79.53,29.79 P5.A19 79.57,33.95 arc(79.6,34.29) 79.6,34.63 79.6,35.01 arc(79.71,35.54) 80.01,35.99 80.11,36.09 arc(80.34,36.43) 80.42,36.83 arc(80.34,37.23) 80.11,37.57 79.98,37.69 arc(79.67,38.17) 79.55,38.74 79.55,39.35 arc(79.55,39.65) 79.53,39.95 P4.A19 79.57,44.11 arc(79.6,44.45) 79.6,44.79 79.6,45.17 arc(79.71,45.7) 80.01,46.15 80.11,46.25 arc(80.34,46.59) 80.42,46.99 arc(80.34,47.39) 80.11,47.73 79.98,47.85 arc(79.67,48.33) 79.55,48.9 79.55,49.51 arc(79.55,49.81) 79.53,50.11 P3.A19 79.57,54.27 arc(79.6,54.61) 79.6,54.95 79.6,55.33 arc(79.71,55.86) 80.01,56.31 80.11,56.41 arc(80.34,56.75) 80.42,57.15 arc(80.34,57.55) 80.11,57.89 79.98,58.01 arc(79.67,58.49) 79.55,59.06 79.55,59.67 arc(79.55,59.97) 79.53,60.27 P2.A19 79.57,64.43 arc(79.6,64.77) 79.6,65.11 79.6,65.49 arc(79.71,66.02) 80.01,66.47 80.11,66.57 arc(80.34,66.91) 80.42,67.31 arc(80.34,67.71) 80.11,68.05 79.98,68.17 arc(79.67,68.65) 79.55,69.22 79.55,69.83 arc(79.55,70.13) 79.53,70.43 P1.A19 79.57,74.59 arc(79.6,74.93) 79.6,75.27 79.6,75.65 arc(79.71,76.18) 80.01,76.63 80.11,76.73 arc(80.34,77.07) 80.42,77.47 arc(80.34,77.87) 80.11,78.21 79.98,78.33 arc(79.67,78.81) 79.55,79.38 79.55,79.99
